# Allegro board pc053c_toplevel_50gloss.brd (continued)
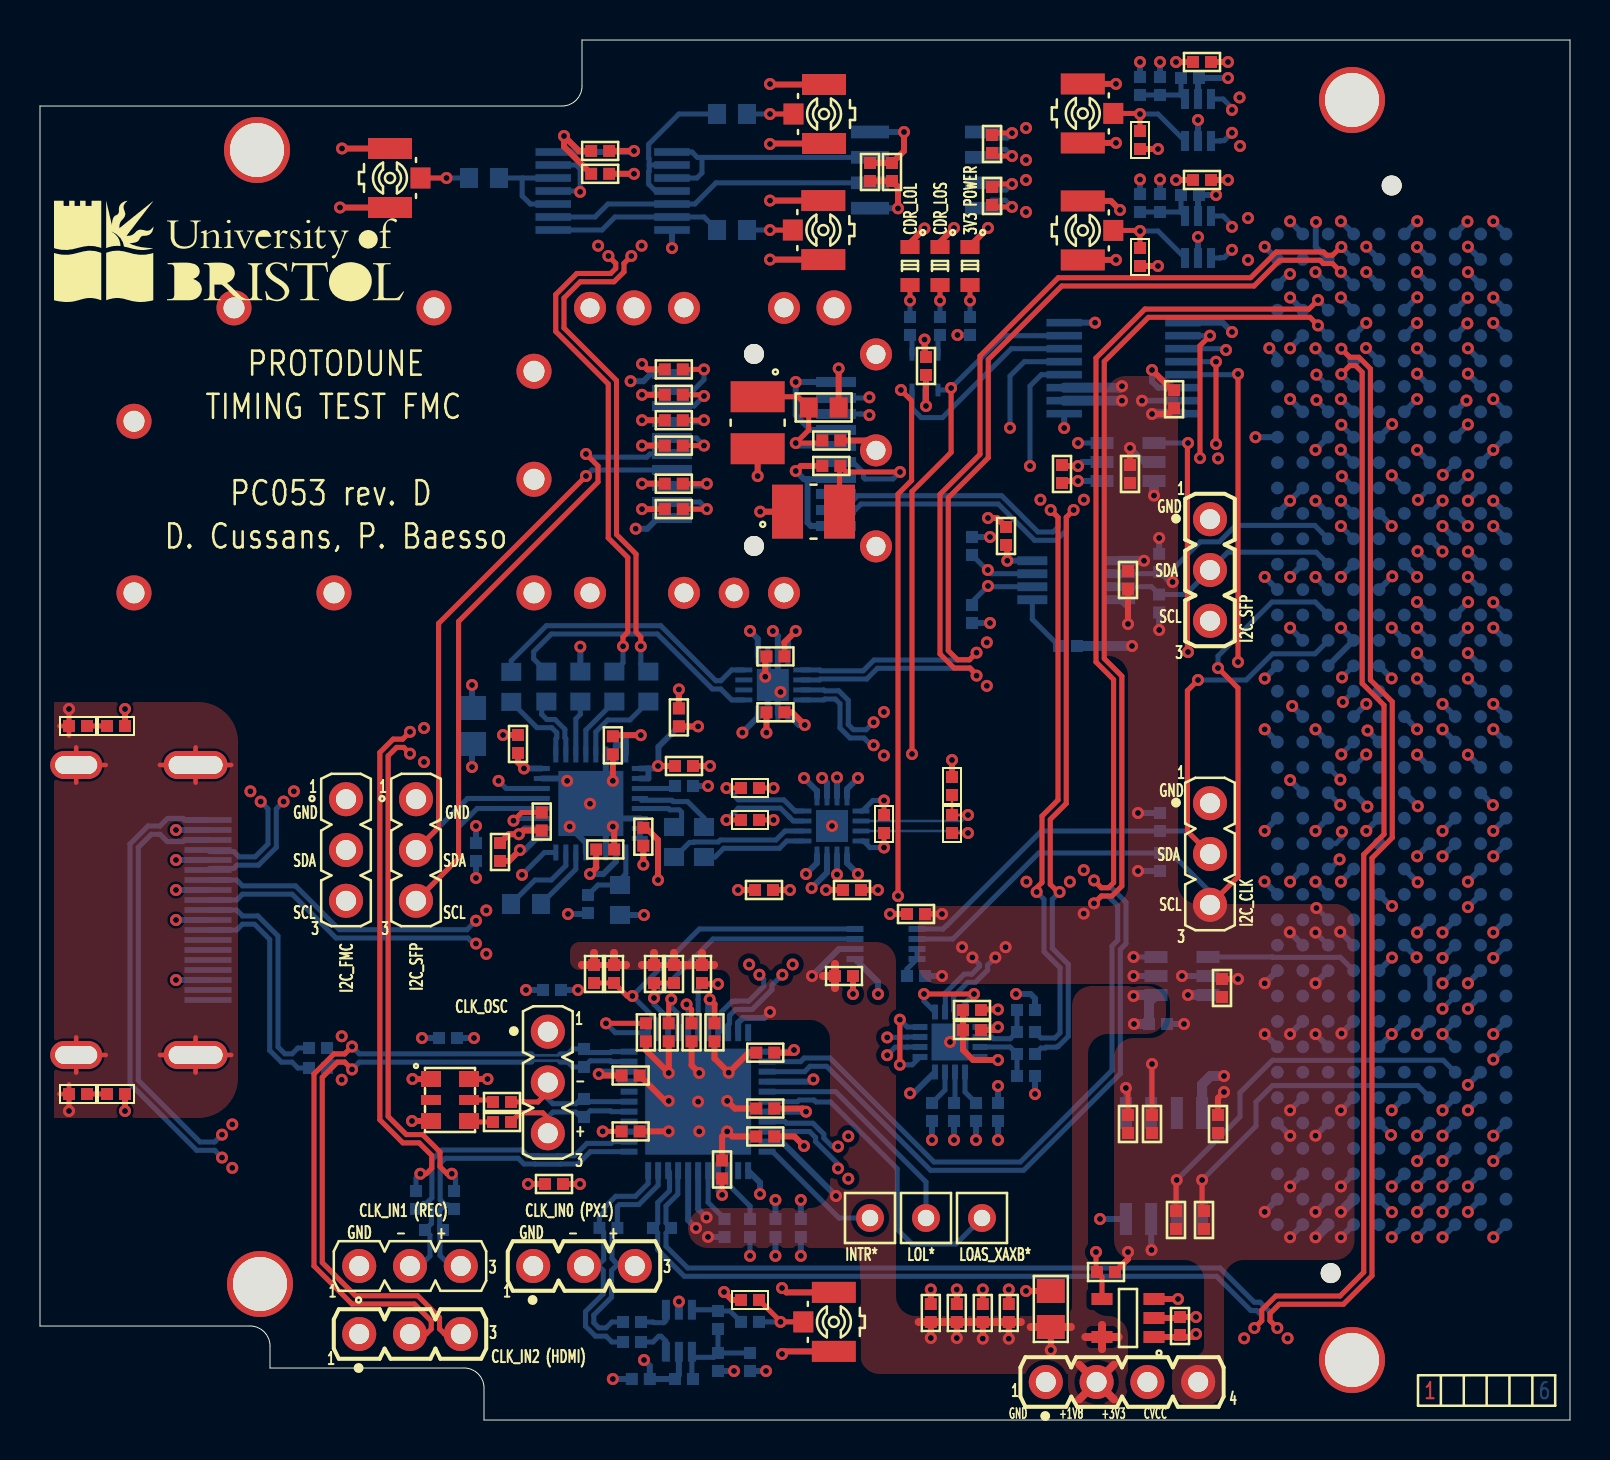
[diagram p0: board, top side]
## Routing (per net, layer and track width the routed paths; a pad name or vN(x,y) marks a point on that pad's centre or on a via; arc(x,y) is an arc through that point) (continued)
P3V3: length 120.8
  TOP w0.3: v1(30.1,52.8) 30.37,52.53 R22.1 ; C56.1 v1(59.4,62) ; C58.2 C57.2 43.2,63.45 v1(43.2,64.4) ; REG1.3 v1(56.9,6.05) ; v1(22.38,17.05) QZ1.6 ; C34.2 v1(32.9,34.68) ; v1(44.23,54.02) 44.23,53.22 C15.2 ; v1(37.7,18.5) 37.57,18.37 C46.2 ; v1(27.94,17.3) 28.01,17.22 C31.2 ; C30.2 23.44,29.29 v1(23.94,29.29) 24.13,29.47 R57.2 ; C49.2 33.72,20.8 v1(33.48,21.03) ; R25.2 v1(30.1,48.72) ; C107.2 48.36,43.69 v1(48.36,42.96) ; C72.2 37.6,35.38 v1(38.24,34.75) ; C66.2 51.2,46.95 v1(51.9,46.95) ; v1(38.2,13.7) 37.72,14.18 C45.2 ; R23.1 v1(30.1,51.26) ; C7.2 47.08,20.53 v1(47.9,20.53) ; C29.2 v1(30.17,27.77) ; C55.1 v1(59.4,67.9) ; R28.1 v1(30.1,46.81) ; R24.2 v1(30.1,49.99) ; v1(47.9,19.64) 47.76,19.5 C8.2 ; C73.2 v1(45.6,33) ; C36.2 27.81,27.61 v1(27.5,27.3) ; R29.1 v1(30.1,45.55) ; C70.2 v1(41.9,26.5) ; C33.2 28.7,34.24 v1(30.04,34.24) ; 57,4.15 REG1.1 ; 57,4.15 57.65,4.15 v1(57.8,4.3) ; 57,4.15 C9.2 ; C69.2 v1(37.5,26.5) ; v1(29.7,63.45) C59.2 ; C40.2 v1(30.9,32.7) ; L2.1 v1(36.01,45.42) ; C37.2 23.9,32.88 v1(24.2,32.58) ; C48.2 v1(27,11.8) ; v1(37.79,39.45) 37.22,38.88 C71.2 ; C32.2 38.14,15.57 v1(38.3,15.42) ; QZ1.1 v1(18.62,17.05) ; L1.2 v1(35.88,47.2) ; C60.2 v1(29.7,62.31)
  L5_PWR w0.4: 54.34,1.9 J11.3 ; J11.3 56.4,1.9 ; J11.3 55.37,0.87 ; J11.3 55.37,2.93
  BOTTOM w0.3: C4.1 v1(21.8,29.7) ; v1(44.23,54.02) 44.25,54 IC18.5 ; 35.41,12.47 36,11.87 v1(36,11.3) ; v1(35.12,34.37) 35.89,35.14 IC17.16 ; IC12.32 29.29,33.74 ; 29.29,33.74 28.79,33.74 IC12.31 ; 29.29,33.74 29.29,34.24 v1(30.04,34.24) ; IC7.5 57.9,61.2 R37.2 v1(58.8,61.25) ; IC12.12 27.79,27.59 v1(27.5,27.3) 28.17,27.3 28.79,27.92 IC12.10 ; v1(47.9,19.64) 47.01,19.64 IC3.9 ; v1(33.48,21.03) 33.41,20.96 IC4.18 ; 30.42,32.58 30.92,32.58 30.92,33.66 C34.2 v1(32.9,34.68) ; 30.42,32.58 30.42,32.08 IC12.2 ; 30.42,32.58 IC12.1 ; 29.02,17.42 28.06,17.42 v1(27.94,17.3) ; 29.02,17.42 IC4.9 ; 29.02,17.42 29.02,16.92 IC4.8 ; C10.2 v1(36.77,11) ; R4.2 v1(45.7,14) ; v1(51.9,46.95) IC14.1 ; R56.2 v1(45.87,54.25) ; IC17.5 35.89,39.06 v1(35.5,39.45) ; IC3.16 43.68,16.34 v1(43.5,16.34) ; IC12.18 24.23,29.58 v1(23.94,29.29) ; v1(47.5,44.15) R411.1 ; IC10.1 v1(51.21,49.6) ; v1(38.3,27.3) 38.85,27.85 IC13.8 ; P1.D40 v1(68.85,9.13) ; IC13.16 40.35,31.55 v1(40.9,32.1) ; IC6.5 57.9,67.05 R35.2 v1(59.4,67.1) ; IC12.24 v1(24.2,32.58) ; IC4.23 37.62,18.42 v1(37.7,18.5) ; IC17.8 37.39,39.05 v1(37.79,39.45) ; IC15.8 v1(48.36,42.96) ; IC13.5 40.35,27.85 v1(40.9,27.3) ; C6.1 v1(24.3,21.5) ; v1(47.5,39.85) R140.1 ; v1(38.24,34.75) 37.94,34.75 IC17.13 ; IC5.5 31.94,2.25 R32.2 C54.1 30.49,2.71 v1(30.2,3) ; v1(38.67,17.03) 38.55,16.92 IC4.26 ; P1.D36 v1(68.85,14.21) ; C3.1 v1(21.7,19.1) ; IC8.8 v1(43.2,64.4) ; IC13.13 38.85,31.45 v1(38.2,32.1) ; IC9.14 29.65,63.4 v1(29.7,63.45) ; C47.2 v1(38.04,11) ; v1(38.3,15.42) IC4.29 ; C35.2 v1(21.6,32.65) ; P1.D38 v1(68.85,11.68) ; C5.1 v1(47.9,16.7) ; P1.C39 v1(70.12,10.41)
P12V: length 5
  L4_SIGN w0.3: v1(70.12,12.95) 70.93,13.75 70.93,14.68 v1(70.12,15.48)
  BOTTOM w0.3: P1.C37 v1(70.12,12.95) ; P1.C35 v1(70.12,15.48)
CDR_LOL: length 58.3
  TOP w0.254: v1(43.05,51.5) 43.58,50.97 43.58,46.98 42.9,46.3 v1(42.9,26.2)
  L3_SIGN w0.254: v1(42.9,26.2) 42.61,25.91 25.45,25.91 v1(24.1,27.26)
  BOTTOM w0.254: v1(24.1,27.26) 25.22,28.38 IC12.16 ; v1(43.05,51.5) 43.46,51.09 43.6,51.09 ; 43.6,51.09 43.6,50.58 44.06,50.12 45.12,50.12 48.56,53.56 IC10.6 ; 43.6,51.09 IC18.3
CDR_LOS: length 51.2
  TOP w0.254: v1(45.55,51.6) 45.55,48.38 43.6,46.43 v1(43.6,33.3)
  L3_SIGN w0.254: v1(22.93,31.96) 23.58,31.3 26.52,31.3 26.82,31.6 28,31.6 28.58,31.02 35.22,31.02 36.9,32.7 41.1,32.7 41.15,32.65 42.95,32.65 v1(43.6,33.3)
  BOTTOM w0.254: IC12.22 23.31,31.58 v1(22.93,31.96) ; 51.21,54.22 48.17,54.22 v1(45.55,51.6) 45.45,51.5 IC18.1
CLK_IN0_N: length 13
  BOTTOM w0.254: J9.2 27.23,7.73 27.91,7.73 ; C26.2 28.6,3.9 28.3,4.19 27.77,4.19 27.28,4.69 27.28,5.42 28.16,6.31 28.16,7.48 27.91,7.73 ; 27.91,7.73 27.91,7.74 28.19,8.02 28.19,9.39 R9.2 27.97,10.17 28.21,10.41 28.21,10.61 28.79,11.19 29.77,11.19 30.41,11.82 30.41,12.47
CLK_IN0_P: length 12.3
  BOTTOM w0.254: 30.91,12.47 30.91,11.74 29.94,10.77 28.97,10.77 28.87,10.67 28.87,9.6 28.6,9.34 28.6,8.06 28.71,7.95 28.71,7.94 28.83,7.82 28.83,7.73 ; 28.83,7.73 29.71,7.73 J9.3 ; 28.83,7.73 28.58,7.48 28.58,6.14 27.69,5.25 27.69,4.86 27.94,4.61 28.3,4.61 28.6,4.9 C23.2
CLK_IN1_N: length 17.6
  BOTTOM w0.254: J3.2 18.53,7.73 19.03,7.73 19.5,8.2 19.5,9.25 R11.1 19.57,9.82 19.57,9.87 19.57,9.87 19.57,10.58 19.32,10.83 ; C27.2 18.9,10.55 19.18,10.83 19.32,10.83 ; IC4.2 28.64,13.92 28.56,13.83 27.35,13.83 26.73,13.21 25.87,13.21 25.86,13.21 24.92,13.21 24.92,13.21 24.37,13.21 24.09,13.5 20.09,13.5 19.6,13 19.6,11.11 19.32,10.83
CLK_IN1_P: length 16.7
  BOTTOM w0.254: 20.24,10.75 19.99,10.5 19.99,9.66 R11.2 20,9.35 20,8.23 20.5,7.73 21.01,7.73 J3.3 ; 20.24,10.75 20.41,10.75 20.61,10.55 C24.2 ; 20.24,10.75 20.24,10.78 20.01,11.01 20.01,12.83 20.26,13.09 23.91,13.09 24.2,12.8 24.74,12.8 24.75,12.79 26.03,12.79 26.04,12.8 26.9,12.8 27.52,13.42 IC4.1
CLK_IN2_N: length 36.4
  TOP w0.254: v1(15.6,18.67) 15.23,18.31 14.7,18.31 13.7,17.3 13.7,7.7 15.6,5.8 18.71,5.8 19.56,4.95 19.56,4.55 19.31,4.3 J1.2
  BOTTOM w0.14: 24.58,18.31 24.62,18.31 24.69,18.23 25.89,18.23 25.96,18.31 26,18.31
  BOTTOM w0.254: 26,18.31 26.39,18.31 26.63,18.55 R8.2 27.38,18.37 28.52,18.37 28.57,18.42 IC4.11 ; C28.2 14.64,18.31 15.23,18.31 v1(15.6,18.67) 15.97,18.31 24.58,18.31
CLK_IN2_P: length 35.8
  TOP w0.254: v1(15.6,17.53) 15.23,17.89 14.87,17.89 14.11,17.13 14.11,7.87 15.77,6.21 18.89,6.21 19.98,5.12 19.98,4.55 20.23,4.3 J1.3
  BOTTOM w0.14: 26,17.89 25.96,17.89 25.89,17.96 24.69,17.96 24.62,17.89 24.58,17.89
  BOTTOM w0.254: IC4.10 28.57,17.92 28.52,17.96 27.51,17.96 R8.1 26.63,17.65 26.39,17.89 26,17.89 ; C22.2 14.64,17.89 15.23,17.89 v1(15.6,17.53) 15.97,17.89 24.58,17.89
CLK_RST: length 27.8
  TOP w0.254: R16.1 33.15,21.8 v1(33.9,21.8)
  L3_SIGN w0.254: v1(33.9,21.8) 33.9,22.43 35.07,23.6 45,23.6 46.1,22.5 54.02,22.5 v1(54.67,23.15)
  BOTTOM w0.25: IC16.3 v1(54.67,23.15)
  BOTTOM w0.254: v1(33.9,21.8) 33.16,21.8 32.9,21.55 32.9,21.02 32.9,20.05 32.91,20.05 IC4.17
CLK_SCL: length 15
  TOP w0.254: R14.1 R41.2 v1(30.7,21.1)
  BOTTOM w0.254: IC1.3 33.65,24.05 v1(30.7,21.1) 30.7,20.79 31.41,20.08 IC4.14
CLK_SDA: length 17.1
  TOP w0.254: v1(29.62,21.2) 29.35,21.2 R15.1 R40.2
  BOTTOM w0.254: IC1.4 32.97,24.55 v1(29.62,21.2) 30.91,19.91 IC4.13
CTRLVCC: length 0.9
  BOTTOM w0.3: P1.D32 v1(68.85,19.3)
CVCC: length 24.3
  TOP w0.3: C61.2 56.41,50.3 v1(55.6,50.3) ; C17.2 v1(45.1,25.3)
  BOTTOM w0.3: R43.2 v1(54.9,27.45) ; R143.2 v1(55.96,44.1) ; R142.2 v1(55.96,39.5) ; R242.2 v1(54.9,30.35) ; v1(45.1,22.2) R1.2
  BOTTOM w0.5: v1(55.7,46.22) IC14.6 ; P1.H40 v1(63.77,9.13) ; v1(55.6,50.3) 55.61,50.31 IC10.16 ; v1(54.6,38.7) R42.2 ; 51.21,51.62 54.02,51.62 v1(54.1,51.69) ; IC10.2 v1(54.1,50.97) ; v1(59.2,17.2) 58.52,17.2 58.1,16.78 IC2.8 ; IC15.1 v1(55.2,42.96) ; P1.G39 v1(65.04,10.41) ; v1(57.4,21.25) IC16.6
F_CDR_CLK_N: length 4
  BOTTOM w0.254: IC12.25 25.79,34.06 25.84,34.11 25.84,34.36 25.58,34.62 24.85,34.62 R55.1
F_CDR_CLK_P: length 3.5
  BOTTOM w0.254: IC12.26 26.29,34.06 26.24,34.11 26.24,34.53 25.75,35.02 25.34,35.02 25.09,35.28 25.09,35.69 R54.1
F_CDR_D_N: length 64.7
  TOP w0.254: v1(28.42,58.2) 28.79,57.83 28.79,57.58 28.53,57.33 26.84,57.33 25.79,56.27 25.79,54.43 28.41,51.8 28.41,44.1 29.39,43.13 29.39,39.39 29.15,39.15 v1(29.15,38.69)
  L3_SIGN w0.2: v1(28.42,58.2) 28.77,57.85 28.77,57.38 29.23,56.92 30.87,56.92 30.9,56.95 52.9,56.95 58.58,51.26 61.5,51.26 61.84,51.6 62.73,51.6 62.92,51.41 63.41,51.41 v1(63.82,51)
  BOTTOM w0.254: R53.2 29.15,37.86 v1(29.15,38.69) ; P1.H8 v1(63.82,51)
F_CDR_D_P: length 64
  TOP w0.254: v1(30.04,38.69) 30.04,39.15 29.8,39.39 29.8,43.3 28.83,44.27 28.83,51.97 26.2,54.6 26.2,56.1 27.01,56.91 28.7,56.91 29.2,57.41 29.2,57.83 v1(29.57,58.2)
  L3_SIGN w0.2: v1(29.57,58.2) 29.22,57.85 29.22,57.57 29.42,57.37 30.68,57.37 30.71,57.4 53.08,57.4 58.77,51.71 61.31,51.71 61.65,52.05 62.92,52.05 63.11,51.86 63.41,51.86 v1(63.82,52.27)
  BOTTOM w0.254: R52.2 30.04,37.8 v1(30.04,38.69) ; P1.H7 v1(63.82,52.27)
F_FMC_CLK_N: length 91.8
  TOP w0.254: v1(60.72,4.6) 61.09,4.97 61.09,5.5 61.79,6.2 65,6.2 66.19,7.39 66.19,28.27 67.2,29.29 67.2,35.74 66.11,36.83 66.11,52.39 65.77,52.72 65.49,52.72 v1(65.07,52.29)
  BOTTOM w0.254: v1(60.72,4.6) 61.09,4.97 61.09,5.22 60.83,5.47 60.54,5.47 58.83,7.19 32.21,7.19 30.89,8.51 30.89,9.36 R18.1 30.89,9.84 30.89,10.87 31.48,11.46 31.48,12.4 31.41,12.47 ; P1.G7 v1(65.07,52.29)
F_FMC_CLK_P: length 92.5
  TOP w0.254: v1(65.07,53.56) 65.49,53.14 65.95,53.14 66.52,52.56 66.52,37 67.61,35.91 67.61,29.11 66.6,28.1 66.6,7.21 65.17,5.79 61.96,5.79 61.5,5.33 61.5,4.97 v1(61.87,4.6)
  BOTTOM w0.254: v1(61.87,4.6) 61.5,4.97 61.5,5.39 61,5.89 60.71,5.89 59,7.6 32.39,7.6 31.3,8.69 31.3,9.35 R18.2 31.3,9.85 31.3,10.7 31.89,11.29 31.89,12.45 31.91,12.47 ; P1.G6 v1(65.07,53.56)
F_GPIO_OUT0_N: length 27.7
  TOP w0.254: R45.1 47.65,60.75 47.75,60.65 v1(48.6,60.65)
  L4_SIGN w0.2: v1(65.04,48.52) 64.65,48.92 64.18,48.93 63.77,49.35 62.35,49.35 60.43,51.27 60.43,54.93 55.09,60.27 54.74,60.27 54.53,60.48 54.53,60.72 54.22,61.03 53.78,61.03 53.75,61 48.95,61 v1(48.6,60.65)
  BOTTOM w0.254: v1(65.04,48.52) 65.04,48.51 P1.G10 ; v1(48.6,60.65) 48.26,60.99 47.6,60.99 IC8.4
F_GPIO_OUT0_P: length 27.2
  TOP w0.254: v1(48.6,61.8) 47.75,61.8 R45.2
  L4_SIGN w0.2: v1(48.6,61.8) 48.95,61.45 53.57,61.45 53.59,61.48 54.41,61.48 55.16,60.72 55.28,60.72 60.88,55.12 60.88,51.46 62.54,49.8 63.96,49.8 63.99,49.76 v1(65.07,49.76)
  BOTTOM w0.254: IC8.3 47.56,61.5 48.3,61.5 v1(48.6,61.8) ; P1.G9 65.07,49.75 v1(65.07,49.76)
F_GPIO_OUT1_N: length 68.8
  TOP w0.254: v1(48.6,64.35) 47.7,64.35 R46.1
  L4_SIGN w0.2: v1(48.6,64.35) 48.95,64 50.5,64 51.37,63.13 55.57,63.13 55.68,63.02 56.12,63.02 56.23,63.13 72.07,63.13 74.62,60.58 74.62,33.82 72.02,31.22 65.47,31.22 v1(65.01,30.76)
  BOTTOM w0.254: IC8.1 47.5,64.1 48.35,64.1 v1(48.6,64.35) ; P1.H23 v1(65.01,30.76)
F_GPIO_OUT1_P: length 67.4
  TOP w0.254: R46.2 47.75,63.2 v1(48.6,63.2)
  L4_SIGN w0.2: v1(48.6,63.2) 48.95,63.55 50.31,63.55 51.18,62.68 55.38,62.68 55.49,62.57 56.31,62.57 56.42,62.68 71.88,62.68 74.16,60.39 74.16,34.01 71.83,31.67 65.37,31.67 v1(65.02,32.02)
  BOTTOM w0.254: v1(48.6,63.2) 48.27,63.53 47.6,63.53 IC8.2 ; P1.H22 v1(65.02,32.02)
F_MCX_CLK_N: length 2
  BOTTOM w0.254: IC5.6 31.29,3.95 31.05,4.19 30.94,4.19 30.65,3.9 C26.1
F_MCX_CLK_P: length 1.8
  BOTTOM w0.254: C23.1 30.65,4.9 30.68,4.87 31.19,4.87 31.29,4.97 IC5.1
F_RJ45_CLK_N: length 11.4
  BOTTOM w0.254: C28.1 12.9,18.6 12.6,18.31 12.24,18.31 11.9,18.65 11.9,24.2 10.9,25.2 10.13,25.2 9.83,25.5 J7.10
F_RJ45_CLK_P: length 11.4
  BOTTOM w0.254: J7.12 9.83,24.5 10.12,24.79 10.73,24.79 11.49,24.03 11.49,18.48 12.07,17.89 12.6,17.89 12.9,17.6 C22.1
F_RJ45_D_N: length 64.4
  L3_SIGN w0.2: v1(12.18,30.92) 11.83,31.27 11.83,33.13 13.93,35.23 19.15,35.23 19.17,35.25 19.63,35.25 19.65,35.23 37.73,35.23 38.45,35.95 45.45,35.95 45.7,35.7 46.93,35.7 61.54,35.7 62.13,36.29 64.71,36.29 65.1,35.9 v1(65.14,35.9)
  BOTTOM w0.254: J7.6 8.47,27.57 8.58,27.57 8.59,27.58 9.69,27.58 9.85,27.74 10.93,27.74 11.81,28.63 11.81,30.55 v1(12.18,30.92) ; P1.G19 v1(65.14,35.9)
F_RJ45_D_P: length 64.6
  L3_SIGN w0.2: v1(65.1,37.13) 64.71,36.74 61.94,36.74 61.35,36.15 47.57,36.15 45.89,36.15 45.64,36.41 38.26,36.41 37.54,35.69 19.84,35.69 19.82,35.71 18.98,35.71 18.96,35.69 13.74,35.69 11.38,33.32 11.38,31.27 v1(11.03,30.92)
  BOTTOM w0.254: J7.4 8.47,28.43 8.58,28.43 8.59,28.42 9.69,28.42 9.95,28.16 10.76,28.16 11.4,28.8 11.4,30.55 v1(11.03,30.92) ; P1.G18 v1(65.1,37.13)
F_SFP_N: length 29.9
  TOP w0.254: R60.1 v1(42.2,28.62)
  L4_SIGN w0.2: v1(41.47,51.13) 41.92,51.13 42.14,50.92 43.03,50.92 44.65,49.29 44.65,30.75 43.45,29.55 42.4,29.55 42.2,29.35 v1(42.2,28.62)
  BOTTOM w0.254: J4.12 41.44,51.1 v1(41.47,51.13) ; IC13.4 41.17,28.95 41.5,28.62 v1(42.2,28.62)
F_SFP_P: length 28.5
  TOP w0.254: R60.2 v1(42.2,30.98)
  L4_SIGN w0.2: v1(42.2,30.98) 42.2,30.31 42.51,30 43.26,30 44.2,30.94 44.2,49.1 42.84,50.46 42.14,50.46 41.92,50.24 v1(41.47,50.24)
  BOTTOM w0.254: J4.13 41.04,50.3 41.41,50.3 v1(41.47,50.24) ; v1(42.2,30.98) 41.65,30.98 41.12,30.45 IC13.1
FMC_GA0: length 20.9
  TOP w0.254: v1(56.83,12) 56.8,11.96 R138.1
  BOTTOM w0.254: P1.C34 70.16,17.99 61.62,17.99 60,16.37 60,15.16 v1(56.83,12) IC2.2
FMC_GA1: length 17.8
  TOP w0.254: v1(58.1,12) 58.1,10.54 R1328.1
  BOTTOM w0.254: P1.D35 68.89,16.72 61.62,16.72 60.8,15.9 60.8,14.7 v1(58.1,12) IC2.1
FMC_LA07_N: length 11.7
  BOTTOM w0.254: P1.H14 63.81,43.39 59.39,43.39 J10.2 57.28,41.28 R142.1 55.57,41.66 IC15.3
FMC_LA07_P: length 15.2
  L4_SIGN w0.254: v1(56.63,41.9) 56.63,41.83 J10.3
  BOTTOM w0.254: P1.H13 63.74,44.73 59.79,44.73 58.97,43.91 58.01,43.91 56.63,42.53 v1(56.63,41.9) 56.47,41.9 R143.1 55.86,42.31 IC15.2
FMC_LA11_N: length 33.9
  TOP w0.254: v1(57.9,37) 57.37,36.47 57.37,29.43 J8.2
  BOTTOM w0.254: P1.H17 64.41,38.97 63.75,38.31 61.62,38.31 60.31,37 v1(57.9,37) ; IC1.5 45.15,24.55 45.32,24.72 45.34,24.72 50.07,29.45 R242.1 57.35,29.45 J8.2
FMC_LA11_P: length 38.2
  TOP w0.254: v1(58.9,37.6) 59.9,36.6 59.9,27.16 J8.3
  BOTTOM w0.254: J8.3 58.5,26.4 56.55,28.35 R43.1 49.94,28.35 45.64,24.05 IC1.6 ; v1(58.9,37.6) 58.9,38.2 61.6,40.9 63.76,40.9 P1.H16
FMC_SCL: length 67.5
  TOP w0.254: v1(55.6,17.8) R103.1
  L3_SIGN w0.254: v1(70.12,21.84) 69.49,21.2 61,21.2 57.6,17.8 v1(55.6,17.8) 52.72,17.8 50.62,15.7 42.9,15.7 39.1,19.5 29.9,19.5 28.6,20.8 20.46,20.8 J6.3
  BOTTOM w0.254: IC2.6 55.56,17.77 v1(55.6,17.8) ; P1.C30 v1(70.12,21.84)
FMC_SDA: length 71.5
  TOP w0.254: v1(54.29,16.6) 54.4,16.49 R39.1
  L3_SIGN w0.254: v1(70.12,20.57) 61.66,20.57 57.7,16.6 v1(54.29,16.6) 52.69,15 39.88,15 36.68,18.2 19.1,18.2 13.6,23.7 13.6,26.8 J6.2
  BOTTOM w0.254: v1(54.29,16.6) IC2.5 ; P1.C31 v1(70.12,20.57)
FPGA_CDR_LOL: length 15.8
  L3_SIGN w0.254: v1(65.04,45.97) 64.92,45.97 63.99,46.9 60.08,46.9 v1(58.9,48.08)
  L4_SIGN w0.254: v1(59.3,53.5) 59.35,53.45 59.35,52.54 59.35,52.53 59.35,52.07 59.49,51.92 59.49,48.67 v1(58.9,48.08)
  BOTTOM w0.254: v1(59.3,53.5) 59.23,53.56 IC10.11 ; P1.G12 v1(65.04,45.97)
FPGA_CDR_LOS: length 17
  TOP w0.254: v1(58,48.1) 58,53.72 v1(58.5,54.22)
  L3_SIGN w0.254: v1(58,48.1) 61.4,44.7 v1(65.04,44.7)
  BOTTOM w0.254: P1.G13 v1(65.04,44.7) ; v1(58.5,54.22) 57.15,54.22
FPGA_CLK_RST: length 7.6
  BOTTOM w0.254: IC16.4 61.61,23.15 61.62,23.14 65.01,23.14 P1.G30
FPGA_SFP_LOS: length 19.3
  TOP w0.254: v1(58.8,48.8) v1(58.8,52.91)
  L3_SIGN w0.254: v1(68.88,43.44) 68.02,43.44 67.01,44.46 67.01,45.05 65.45,46.61 64.85,46.61 63.66,47.8 61,47.8 60,48.8 v1(58.8,48.8)
  BOTTOM w0.254: P1.D14 69.49,42.82 v1(68.88,43.44) ; IC10.12 v1(58.8,52.91)
FPGA_SFP_TX_DIS: length 25
  TOP w0.254: v1(57.4,48.85) 57.37,48.82 57.37,38.43 v1(57.4,38.4)
  L3_SIGN w0.254: v1(57.4,38.4) 58.54,38.4 59.02,38.88 68.12,38.88 v1(68.85,39.62)
  BOTTOM w0.254: v1(57.4,48.85) IC14.4 ; P1.D17 v1(68.85,39.62)
FPGA_SFP_TX_FLT: length 27.2
  TOP w0.254: v1(59.9,52.3) v1(59.9,37.9)
  L3_SIGN w0.254: v1(59.9,37.9) 60.34,38.34 v1(68.85,38.34)
  BOTTOM w0.254: P1.D18 v1(68.85,38.34) ; v1(59.9,52.3) 59.86,52.27 IC10.13
GPIO_IN0_N: length 29.6
  L3_SIGN w0.2: v1(71.41,47.24) 71.01,47.65 71.01,48.13 70.73,48.41 70.73,61.47 68.1,64.1 64.81,64.1 63.75,65.16 59.94,65.16 v1(59.6,65.5)
  BOTTOM w0.254: IC6.6 59.15,66.05 59.6,65.6 v1(59.6,65.5) ; v1(71.41,47.24) 71.4,47.24 P1.C11
GPIO_IN0_P: length 28.6
  L3_SIGN w0.2: v1(70.14,47.26) 70.55,47.66 70.55,47.94 70.28,48.22 70.28,61.28 67.91,63.64 64.62,63.64 63.56,64.7 59.94,64.7 v1(59.6,64.36)
  BOTTOM w0.254: IC6.1 59,63.95 59.02,63.97 59.21,63.97 v1(59.6,64.36) ; v1(70.14,47.26) 70.15,47.26 P1.C10
GPIO_IN1_N: length 26.5
  L3_SIGN w0.2: v1(59.6,59.65) 59.94,59.31 60.46,59.31 62.09,60.94 66.06,60.94 67.85,59.15 67.85,51.19 68.7,50.34 68.7,49.13 68.3,48.73 68.3,48.28 68.63,47.95 68.66,47.95 69.75,46.86 69.75,46.35 v1(70.13,45.97)
  BOTTOM w0.254: v1(59.6,59.65) 59.6,59.75 59.15,60.2 IC7.6 ; v1(70.13,45.97) P1.D12
GPIO_IN1_P: length 25.6
  L3_SIGN w0.2: v1(59.6,58.51) 59.94,58.85 60.64,58.85 62.28,60.49 65.87,60.49 67.4,58.96 67.4,51 68.25,50.15 68.25,49.32 67.85,48.92 67.85,48.09 68.44,47.5 68.47,47.5 69.3,46.68 69.3,46.41 v1(68.89,46.01)
  BOTTOM w0.254: v1(68.89,46.01) P1.D11 ; v1(59.6,58.51) 59.21,58.12 59.02,58.12 59,58.1 IC7.1
IN_N: length 4.1
  BOTTOM w0.254: IC12.4 30.08,30.99 31.59,30.99 31.66,30.92 32.38,30.92 33.2,30.1 C44.2
IN_P: length 3.1
  BOTTOM w0.254: IC12.5 29.99,30.57 31.42,30.57 31.49,30.51 31.96,30.51 32.08,30.39 32.08,30.03 C43.2
IN_SEL0: length 2.3
  TOP w0.254: R17.2 v1(28.13,14.43)
  BOTTOM w0.254: v1(28.13,14.43) 29.44,14.43 IC4.3
IN_SEL1: length 2.1
  TOP w0.254: R19.2 v1(34.1,11.26)
  BOTTOM w0.254: v1(34.1,11.26) 33.91,11.45 33.91,12.47
Net_87:
  vias: v1(45.5,18.9)
OSC_CLK_N: length 7.7
  TOP w0.254: C25.2 24.89,15.9 25.39,16.4 J2.2
  BOTTOM w0.254: J2.2 25.39,16.07 25.64,15.81 26.8,15.81 27.03,16.05 R7.2 27.33,15.92 IC4.6
OSC_CLK_P: length 8.1
  TOP w0.254: C21.2 24.01,15.36 25.14,15.36 25.39,15.1 J2.3
  BOTTOM w0.254: J2.3 25.39,15.14 25.65,15.4 26.79,15.4 27.03,15.15 R7.1 27.51,15.46 28.52,15.46 28.57,15.42 IC4.5
REC_CLK_N: length 55.2
  TOP w0.254: v1(18.5,34.41) 18.13,34.04 17.66,34.04 16.99,33.38 16.99,15.01 18.14,13.86 18.96,13.86 19.59,13.23 19.59,12.59 19.31,12.31 v1(19.02,12.31)
  L3_SIGN w0.2: v1(18.5,34.41) 18.61,34.41 18.97,34.05 19.35,34.05 19.46,33.94 21.4,33.94 21.64,33.71 22.91,33.71 22.93,33.69 30.27,33.69 30.28,33.71 38.81,33.71 39.64,34.54 41.44,34.54 41.68,34.78 v1(41.68,34.89)
  BOTTOM w0.254: IC17.11 39.19,36.5 39.23,36.46 39.94,36.46 40.41,35.99 40.41,34.77 40.67,34.51 41.31,34.51 v1(41.68,34.89) ; v1(19.02,12.31) 18.8,12.1 C27.1
REC_CLK_P: length 54.3
  TOP w0.254: v1(20.59,12.31) 20.35,12.31 20,12.67 20,13.4 19.13,14.27 18.31,14.27 17.41,15.18 17.41,33.21 17.83,33.63 18.19,33.63 v1(18.5,33.32)
  L3_SIGN w0.2: v1(18.5,33.32) 18.82,33.32 18.99,33.49 21.21,33.49 21.45,33.25 22.73,33.25 22.74,33.24 30.46,33.24 30.47,33.25 38.99,33.25 39.83,34.09 41.21,34.09 41.56,33.74 v1(41.68,33.74)
  BOTTOM w0.254: IC17.12 39.19,36 39.23,36.05 39.77,36.05 40,35.82 40,34.6 40.5,34.1 41.2,34.1 41.56,33.74 v1(41.68,33.74) ; v1(20.59,12.31) 20.78,12.12 20.78,11.53 C24.1
S_CLK_IN: length 3.8
  TOP w0.254: R27.2 37.02,4.92 v1(37.02,4.91) PX1.1
  BOTTOM w0.254: v1(37.02,4.91) C50.1
S_GPIO_IN0: length 5
  TOP w0.25: R30.2 v1(55,65.3) 54.97,65.33 PX2.1
  BOTTOM w0.25: v1(55,65.3) 55.9,65.3 IC6.3
S_GPIO_IN1: length 5
  TOP w0.25: PX3.1 54.97,59.48 v1(55,59.45) R31.2
  BOTTOM w0.25: IC7.3 55.9,59.45 v1(55,59.45)
SFP_LOS: length 24.4
  TOP w0.254: 32.14,51.26 33.14,51.26 v1(33.2,51.2)
  L3_SIGN w0.254: v1(48.5,49.61) 34.79,49.61 v1(33.2,51.2)
  BOTTOM w0.254: IC10.5 49.21,52.91 48.5,52.2 v1(48.5,49.61) ; J4.8 32.7,50.7 v1(33.2,51.2)
SFP_SCL: length 67.7
  TOP w0.254: v1(27.3,48.3) 27.9,47.7 27.9,46.9 20.93,39.93 20.93,28.09 J5.3
  L3_SIGN w0.254: v1(47.39,42.5) 29.8,42.5 28.4,43.9 28.4,47.2 v1(27.3,48.3)
  BOTTOM w0.254: v1(27.3,48.3) 27.46,48.14 30.34,48.14 30.5,48.3 J4.5 ; R411.2 47.35,42.5 v1(47.39,42.5) 47.58,42.31 IC15.7 ; IC12.20 21.86,30.58 20.93,29.65 20.93,28.09 J5.3
SFP_SDA: length 63.4
  TOP w0.254: v1(27.3,47.2) 19.93,39.83 19.93,29.63 J5.2
  L3_SIGN w0.254: v1(47.4,41.7) 45.9,40.2 30.5,40.2 27.3,43.4 v1(27.3,47.2)
  BOTTOM w0.254: J5.2 21.38,31.08 IC12.21 ; IC15.6 47.44,41.66 v1(47.4,41.7) 46.6,40.9 R140.2 ; v1(27.3,47.2) 27.6,47.5 J4.4
SFP_TX_DISABLE: length 23.8
  TOP w0.254: v1(33.34,46.81) 32.14,46.81
  L3_SIGN w0.254: v1(51.9,48.85) 48.75,48.85 46.5,46.6 33.56,46.6 v1(33.34,46.81)
  BOTTOM w0.254: IC14.3 v1(51.9,48.85) ; v1(33.34,46.81) 33.23,46.7 J4.3
SFP_TX_FAULT: length 26.1
  TOP w0.254: 32.14,45.55 v1(33.34,45.55)
  L3_SIGN w0.254: v1(49.5,47.7) 47.8,46 33.8,46 v1(33.34,45.55)
  BOTTOM w0.254: J4.2 32.99,45.9 v1(33.34,45.55) ; v1(49.5,47.7) 49.5,51.7 50.06,52.27 IC10.4
SY5860_IN_N: length 14.3
  BOTTOM w0.254: R55.2 23.56,37.96 25.31,39.71 31.04,39.71 33.79,36.96 34.05,36.96 34.59,37.5 IC17.4
SY5860_IN_P: length 13.5
  BOTTOM w0.254: R54.2 24.68,38.05 24.68,38.41 25.57,39.3 30.87,39.3 33.62,36.55 34.04,36.55 34.59,36 IC17.1
T_CDR_N: length 5.3
  BOTTOM w0.254: C44.1 33.75,28.15 34.19,28.59 36.97,28.59 37.34,28.95 IC13.9
T_CDR_P: length 7
  BOTTOM w0.254: IC13.10 37.25,29.45 36.8,29 34.01,29 33.91,28.9 32.7,28.9 32.68,28.88 32.48,28.88 31.75,28.15 C43.1
T_FFD_CLK_N: length 14.5
  L3_SIGN w0.2: v1(42.36,18.24) 42,18.6 41.1,18.6 39.1,20.6 37.18,20.6 36.73,21.05 36.72,21.05 36.32,21.45 36.32,21.69 36.21,21.8 36.21,22.02 v1(35.97,22.26)
  BOTTOM w0.254: v1(42.36,18.24) 42.76,18.64 43.36,18.64 43.37,18.65 IC3.2 ; v1(35.97,22.26) 36.19,22.05 36.19,21.69 35.44,20.94 34.79,20.94 34.78,20.94 34.61,20.94 34.06,20.39 34.06,19.99 33.98,19.91 33.98,19.44 IC4.19
T_FFD_CLK_P: length 13.6
  L3_SIGN w0.2: v1(37.12,22.26) 36.78,21.92 36.78,21.64 36.91,21.51 36.92,21.51 37.37,21.05 39.29,21.05 41.29,19.05 42.05,19.05 42.13,19.13 v1(42.36,19.13)
  BOTTOM w0.254: v1(42.36,19.13) 42.91,19.13 42.93,19.14 43.36,19.14 43.37,19.15 IC3.3 ; IC4.20 34.39,19.38 34.39,19.74 34.48,19.82 34.48,20.22 34.78,20.52 34.95,20.52 34.96,20.53 35.61,20.53 36.6,21.52 36.6,21.75 v1(37.12,22.26)
T_FFD_D_N: length 33.7
  L4_SIGN w0.2: v1(46.62,23.13) 46.97,23.47 46.97,30.31 50.61,33.95 64.21,33.95 64.66,34.4 65.45,34.4 65.92,33.93 65.92,33.67 v1(66.31,33.28)
  BOTTOM w0.254: v1(66.31,33.28) 65.68,32.65 P1.G22 ; v1(46.62,23.13) 46.97,22.78 46.97,22.67 46.59,22.29 46.21,22.29 45.26,21.35 45.26,20.41 IC3.6
T_FFD_D_P: length 32
  L4_SIGN w0.2: v1(47.77,23.13) 47.42,23.47 47.42,30.12 50.8,33.5 64.4,33.5 64.85,33.95 65.16,33.95 65.26,33.85 65.26,33.47 v1(65.07,33.28)
  BOTTOM w0.254: IC3.7 45.68,20.47 45.68,21.18 46.38,21.88 46.76,21.88 47.38,22.5 47.38,22.74 v1(47.77,23.13) ; P1.G21 65.07,33.29 v1(65.07,33.28)
T_FMC_CLK_N: length 72.1
  TOP w0.254: v1(63.9,54.73) 63.5,55.13 55.42,55.13 53.21,52.93 53.21,38.07 54.09,37.19 54.09,26.7 53.6,26.2 53.07,26.2 v1(52.7,25.83)
  BOTTOM w0.254: P1.H5 v1(63.9,54.73) ; v1(52.7,25.83) 53.07,26.2 53.4,26.2 53.89,25.71 53.89,23.99 53.6,23.7 53.6,17.49 49.01,12.9 44.7,12.9 39.5,18.1 38.21,18.1 38.03,17.92 IC4.24
T_FMC_CLK_P: length 73.5
  TOP w0.254: v1(63.9,56) 63.45,55.55 55.25,55.55 52.8,53.1 52.8,37.9 53.68,37.02 53.68,26.87 53.43,26.61 53.07,26.61 v1(52.7,26.98)
  BOTTOM w0.254: P1.H4 v1(63.9,56) ; IC4.25 38.23,17.42 38.5,17.69 39.33,17.69 44.53,12.49 49.19,12.49 54.01,17.31 54.01,23.53 54.3,23.81 54.3,25.89 53.57,26.61 53.07,26.61 v1(52.7,26.98)
T_FMC_N: length 32.3
  TOP w0.254: R59.2 v1(36.68,30)
  L3_SIGN w0.2: v1(36.68,30) 37.2,30 38,30.8 41.14,30.8 42.16,31.81 57.91,31.81 58.04,31.94 58.96,31.94 59,31.9 59.91,31.9 63.36,28.45 63.41,28.45 63.47,28.39 64.13,28.39 64.19,28.45 64.56,28.45 v1(64.98,28.03)
  BOTTOM w0.254: v1(64.98,28.03) 64.5,27.55 P1.H26
T_FMC_P: length 32.6
  TOP w0.254: R58.2 v1(36.68,31.6)
  L3_SIGN w0.2: v1(65.09,29.42) 64.58,28.9 64,28.9 63.94,28.84 63.66,28.84 63.6,28.9 63.55,28.9 60.1,32.35 59.19,32.35 59.14,32.4 57.86,32.4 57.73,32.27 41.97,32.27 40.95,31.25 37.55,31.25 37.2,31.6 v1(36.68,31.6)
  BOTTOM w0.254: v1(65.09,29.42) 65.09,29.12 64.8,28.82 P1.H25
T_FMC_REC_CLK_N: length 47.1
  TOP w0.254: v1(46.83,38.37) 46.48,38.01 45.87,38.01 45.41,38.47 45.41,46.11 47.41,48.11 47.41,53.03 51.09,56.7 60.7,56.7 61.99,57.99 64,57.99 64.17,57.82 64.63,57.82 v1(65.04,57.41)
  BOTTOM w0.254: P1.G3 65.04,57.4 v1(65.04,57.41) ; IC17.9 38.98,37.5 39.02,37.46 41.16,37.46 41.7,38 46.46,38 v1(46.83,38.37)
T_FMC_REC_CLK_P: length 48.5
  TOP w0.254: v1(46.83,37.22) 46.83,37.27 46.5,37.6 45.7,37.6 45,38.3 45,46.29 47,48.29 47,53.2 50.91,57.11 60.53,57.11 61.81,58.4 64.17,58.4 64.34,58.24 64.63,58.24 65.04,58.65 v1(65.07,58.65)
  BOTTOM w0.254: IC17.10 38.98,37 39.02,37.05 41.33,37.05 41.87,37.59 46.46,37.59 v1(46.83,37.22) ; v1(65.07,58.65) 65.27,58.45 65.28,58.43 P1.G2
T_MCX_CLK: length 75.2
  L4_SIGN w0.254: v1(35.5,8.21) 32.89,8.21 31.4,9.7 24.9,9.7 17.08,17.52 17.08,48.97 27,58.89 v1(27,61.41)
  BOTTOM w0.254: IC9.13 26.8,62.75 27,62.55 v1(27,61.41) 26.96,61.45 IC9.11 ; R26.2 v1(35.5,8.21)
T_RJ45_CLK_N: length 57
  L3_SIGN w0.2: v1(39.9,13.67) 39.58,13.35 38.99,13.35 38.64,13 25.17,13 24.25,13.92 9.45,13.92 v1(9.1,14.27)
  BOTTOM w0.254: v1(39.9,13.67) 39.61,13.67 39.19,14.09 39.19,14.3 38.65,14.84 37.32,14.84 37.25,14.92 IC4.30 ; J7.3 7.22,29 7.15,28.92 6.36,28.92 6,29.29 5.57,29.29 4.91,28.63 4.91,16.99 8,13.9 8.73,13.9 v1(9.1,14.27)
T_RJ45_CLK_P: length 58.7
  L3_SIGN w0.2: v1(39.9,12.58) 39.58,12.9 39.18,12.9 38.83,12.55 24.98,12.55 24.06,13.47 9.45,13.47 v1(9.1,13.12)
  BOTTOM w0.254: IC4.31 37.25,14.42 37.25,14.42 38.48,14.42 38.78,14.12 38.78,13.92 39.9,12.8 v1(39.9,12.58) ; J7.1 7.22,30 7.15,30.08 6.38,30.08 6,29.7 5.4,29.7 4.5,28.8 4.5,16.81 7.83,13.49 8.73,13.49 v1(9.1,13.12)
T_RJ45_D_N: length 58.1
  L3_SIGN w0.2: v1(63.77,24.38) 63.4,24.77 63.39,24.78 62.91,24.78 62.76,24.94 61.44,24.94 60.69,24.19 22.37,24.19 22,23.82 v1(21.8,23.82)
  BOTTOM w0.254: v1(21.8,23.82) 21.68,23.82 21.4,24.1 14.8,24.1 12.61,26.29 10.12,26.29 9.83,26 J7.9 ; P1.H29 v1(63.77,24.38)
T_RJ45_D_P: length 58.1
  L3_SIGN w0.2: v1(63.82,25.6) 63.46,25.24 63.1,25.24 62.95,25.4 61.25,25.4 60.51,24.65 22.12,24.65 v1(21.8,24.97)
  BOTTOM w0.254: J7.7 9.83,27 10.12,26.71 12.78,26.71 14.97,24.51 21.35,24.51 v1(21.8,24.97) ; P1.H28 v1(63.82,25.6)
T_SFP_N: length 43.3
  TOP w0.254: v1(50.98,26.4) 50.89,26.4 50.51,26.78 50.51,30.03 51.31,30.83 51.31,45.13 v1(51.68,45.5)
  BOTTOM w0.254: v1(50.98,26.4) 50.61,26.03 50.61,23.59 51.41,22.79 51.41,19.18 50.92,18.69 50.88,18.69 50.83,18.64 50.3,18.64 50.26,18.6 50.05,18.6 C2.2 ; v1(51.68,45.5) 51.31,45.13 51.31,44.48 50.82,43.99 49.73,43.99 47.91,45.8 41.05,45.8 40.75,45.5 J4.19
T_SFP_P: length 41.8
  TOP w0.254: v1(50.53,45.5) 50.9,45.13 50.9,31 50.1,30.2 50.1,26.88 49.83,26.61 v1(49.83,26.4)
  BOTTOM w0.254: J4.18 40.07,46.03 40.7,46.03 40.88,46.21 48.09,46.21 49.9,44.4 50.65,44.4 50.9,44.65 50.9,45.13 v1(50.53,45.5) ; C1.2 50.05,19.1 50.75,19.1 51,19.35 51,22.61 50.2,23.41 50.2,26.03 v1(49.83,26.4)
UNNAMED_2_CON400P40ABCDEFGHJK_I: length 1.3
  BOTTOM w0.254: P1.D30 P1.D31
UNNAMED_2_PCA9306_I276_EN: length 1.6
  BOTTOM w0.254: IC1.7 IC1.8 43.35,22.55 R1.1
UNNAMED_2_PCA9517_I162_EN: length 2.9
  BOTTOM w0.254: R42.1 49.61,40.03 IC15.5
UNNAMED_3_CAPCERSMDCL2_I315_A: length 3.1
  BOTTOM w0.254: R5.2 C1.1 48.51,19.06 47.66,19.06 47.57,19.15 IC3.10
UNNAMED_3_CAPCERSMDCL2_I316_A: length 3.1
  BOTTOM w0.254: IC3.11 48.5,18.65 C2.1 R6.2
UNNAMED_3_NBSG53A_I298_OLS: length 1.8
  BOTTOM w0.254: R3.1 46.25,16.4 IC3.13
UNNAMED_3_NBSG53A_I298_R: length 1.8
  BOTTOM w0.254: R2.2 45.25,16.5 IC3.15
UNNAMED_3_NBSG53A_I298_SEL: length 1.6
  BOTTOM w0.254: IC3.14 45.75,15.9 R4.1
UNNAMED_3_NBSG53A_I298_VTCLK: length 4.6
  TOP w0.254: v1(42.99,17.76) v1(42.99,20.02)
  BOTTOM w0.254: v1(42.99,20.02) 43.36,19.65 IC3.4 ; v1(42.99,17.76) 43.61,17.76 IC3.1
UNNAMED_3_NBSG53A_I298_VTD: length 4.7
  TOP w0.254: v1(46.7,21.3) v1(44.2,21.3)
  BOTTOM w0.254: v1(46.7,21.3) 46.25,20.85 IC3.8 ; v1(44.2,21.3) 44.2,20.95 IC3.5
UNNAMED_4_CAPCERSMDCL2_I90_B: length 2.5
  TOP w0.254: REG1.4 53.1,7.15 C11.2 52.8,7.45 v1(52.8,8.4)
UNNAMED_4_CAPCERSMDCL2_I119_A: length 1.2
  TOP w0.254: C21.1 21.5,14.9 QZ1.4
UNNAMED_4_CAPCERSMDCL2_I120_A: length 1.2
  TOP w0.254: C25.1 22.55,16 QZ1.5
UNNAMED_4_RSMD0402_I16_A: length 4.3
  TOP w0.254: R10.1 v1(28.3,19.83)
  BOTTOM w0.254: IC4.12 28.77,19.37 v1(28.3,19.83)
UNNAMED_4_RSMD0402_I47_A: length 2.8
  BOTTOM w0.254: R13.1 33.41,10.88 33.41,12.47
UNNAMED_4_RSMD0402_I49_A: length 3.1
  TOP w0.254: R20.1 31.44,20.91 v1(31.56,21.03)
  BOTTOM w0.254: v1(31.56,21.03) 31.56,20.65 31.91,20.31 IC4.15
UNNAMED_4_RSMD0402_I50_A: length 2.5
  TOP w0.254: R21.1 32.58,20.53 v1(32.33,20.78)
  BOTTOM w0.254: v1(32.33,20.78) 32.41,20.7 IC4.16
UNNAMED_4_RSMD0402_I123_A: length 2.9
  BOTTOM w0.254: 34.41,12.47 34.41,11.79 35.5,10.69 R26.1
UNNAMED_4_SI5394_I110_INTR: length 6.5
  BOTTOM w0.254: IC4.33 36.63,13.42 39.95,10.1 TP9.1
UNNAMED_4_SI5394_I110_LOL: length 11.6
  BOTTOM w0.254: TP10.1 44.3,11.9 39.78,16.42 IC4.27
UNNAMED_4_SI5394_I110_LOSXAXB: length 16.1
  BOTTOM w0.254: IC4.28 37.88,15.92 37.96,16 38.7,16 38.8,15.9 39.52,15.9 42.86,12.56 42.86,9.54 43.6,8.8 45.8,8.8 TP11.1
UNNAMED_5_74LCX04_I304_Y: length 5.3
  BOTTOM w0.254: IC9.10 24.52,60.8 24.11,61.21 24.11,62.1 ; 24.11,62.1 R47.1 ; 24.11,62.1 IC9.12
UNNAMED_5_74LCX04_I317_A: length 12.4
  BOTTOM w0.254: IC9.1 32.6,63.4 32.87,63.13 33.1,63.13 ; 33.1,63.13 IC8.7 ; 33.1,63.13 33.1,62.35 32.85,62.1 IC9.3
UNNAMED_5_74LCX04_I317_Y: length 8.5
  BOTTOM w0.254: 30.46,62.75 30.46,63.07 30.43,63.09 30.43,63.79 31.95,65.3 R49.1 ; 30.46,62.75 IC9.2 ; 30.46,62.75 30.46,62.43 30.43,62.41 30.43,61.79 30.78,61.45 IC9.4
UNNAMED_5_74LCX04_I323_A: length 16.5
  BOTTOM w0.254: IC8.6 33.8,61.86 32.74,60.8 IC9.5 28.4,60.8 27.75,60.15 IC9.9
UNNAMED_5_74LCX04_I323_Y: length 8.7
  BOTTOM w0.254: IC9.8 28.1,59.5 28.75,60.15 IC9.6 33.2,60.15 R48.1
UNNAMED_5_ADCMP604_I256_: length 5.6
  BOTTOM w0.254: C51.2 33.68,3.13 32.59,3.13 ; C51.2 R33.2 ; C51.2 R44.1 ; 32.59,3.13 32.59,2.1 R32.1 ; 32.59,3.13 IC5.4
UNNAMED_5_ADCMP604_I256__1: length 2.7
  BOTTOM w0.254: IC5.3 33.84,5.51 R44.2 34.51,5.45 C50.2
UNNAMED_5_ADCMP604_I285_: length 3.2
  BOTTOM w0.254: R35.1 57.05,66.25 ; 57.05,66.25 C52.2 R36.2 ; 57.05,66.25 IC6.4
UNNAMED_5_ADCMP604_I294_: length 3.2
  BOTTOM w0.254: R38.2 C53.2 57.05,60.4 ; 57.05,60.4 IC7.4 ; 57.05,60.4 R37.1
UNNAMED_5_PCOAX_I312_A: length 2.4
  TOP w0.254: PX4.1 v1(20.32,62.1)
  BOTTOM w0.254: R47.2 v1(20.32,62.1)
UNNAMED_5_PCOAX_I315_A: length 2.3
  TOP w0.254: v1(36.5,65.3) PX6.1
  BOTTOM w0.254: v1(36.5,65.3) R49.2
UNNAMED_5_PCOAX_I321_A: length 2.3
  TOP w0.254: PX5.1 v1(36.5,59.5)
  BOTTOM w0.254: v1(36.5,59.5) 36.5,59.5 R48.2
UNNAMED_6_CAPCERSMDCL2_I6_B: length 1
  TOP w0.254: R62.1 C74.2
UNNAMED_6_CAPCERSMDCL2_I7_B: length 1
  TOP w0.254: R63.1 C75.2
UNNAMED_11_ADN2814_I23_CF1: length 4.2
  BOTTOM w0.254: C39.1 24.75,27 25.57,27 26.29,27.72 IC12.15
UNNAMED_11_ADN2814_I23_CF2: length 3.3
  BOTTOM w0.254: IC12.14 26.79,27.54 C39.2
UNNAMED_11_ADN2814_I23_DATAOUTN: length 3.2
  BOTTOM w0.254: R53.1 27.29,34.5 IC12.28
UNNAMED_11_ADN2814_I23_DATAOUTP: length 4.4
  BOTTOM w0.254: IC12.29 27.79,34.41 28.39,35 29.5,35 R52.1
UNNAMED_11_ADN2814_I23_SADDRS: length 3
  TOP w0.254: v1(23.67,29.96) 24.08,30.37 R57.1
  BOTTOM w0.254: IC12.19 23.79,30.08 v1(23.67,29.96)
UNNAMED_11_ADN2814_I23_SQUELCH: length 2.7
  BOTTOM w0.254: IC12.27 26.79,35.06 27.02,35.28 R12.1
UNNAMED_11_ADN2814_I23_THRADJ: length 3.6
  BOTTOM w0.254: C42.2 27.9,26.75 R34.2 29,27.01 29.29,27.3 IC12.9
UNNAMED_11_ADN2814_I23_VREF: length 1.8
  BOTTOM w0.254: C38.2 31.63,31.58 IC12.3
UNNAMED_11_CAPCERSMDCL2_I317_A: length 7.3
  TOP w0.127: v1(46.4,30.25) R61.1 C73.1
  BOTTOM w0.127: IC13.2 46.1,29.95 v1(46.4,30.25)
UNNAMED_11_CON20PSFP_I175_MODDE: length 2.8
  TOP w0.254: v1(33.2,48.72) 32.14,48.72
  BOTTOM w0.254: J4.6 32.82,49.1 v1(33.2,48.72)
UNNAMED_11_CON20PSFP_I175_RATES: length 2.7
  TOP w0.254: v1(33.2,49.99) 32.14,49.99
  BOTTOM w0.254: J4.7 33.11,49.9 v1(33.2,49.99)
UNNAMED_11_CON20PSFP_I175_VCCR: length 8.3
  TOP w0.254: L1.1 37.9,51.16 C64.2 38.43,49.49 v1(37.79,48.85) 38.99,48.85 C63.2
  BOTTOM w0.254: v1(37.79,48.85) 37.93,48.7 J4.15
UNNAMED_11_CON20PSFP_I175_VCCT: length 9.2
  TOP w0.254: L2.2 39.98,47.66 C62.2 40.32,47.4 v1(43,47.4)
  BOTTOM w0.254: v1(43,47.4) 42.65,47.05 41.25,47.05 41.17,47.13 41.17,47.37 40.64,47.9 J4.16
UNNAMED_11_CON20PSFP_I175_VEER: length 3.4
  TOP w0.254: 32.14,52.53 v1(33.2,52.53)
  BOTTOM w0.254: v1(33.2,52.53) 33.2,52.02 32.68,51.5 J4.9
UNNAMED_11_LED1_I225_A: length 1.6
  TOP w0.254: v1(43.5,55.97) LD1.1
  BOTTOM w0.254: R50.1 v1(43.5,55.97)
UNNAMED_11_LED1_I226_A: length 1.6
  TOP w0.254: v1(45,55.97) LD2.1
  BOTTOM w0.254: R51.1 v1(45,55.97)
UNNAMED_11_LED1_I227_A: length 1.6
  TOP w0.254: LD3.1 v1(46.5,55.97)
  BOTTOM w0.254: v1(46.5,55.97) R56.1
UNNAMED_11_RSMD0402_I232_B: length 1
  BOTTOM w0.254: R50.2 43.6,54.15 IC18.4
UNNAMED_11_RSMD0402_I233_B: length 1
  BOTTOM w0.254: R51.2 44.9,54.15 IC18.6
UNNAMED_11_RSMD0402_I312_A: length 5
  TOP w0.254: R58.1 v1(34.32,31.6)
  BOTTOM w0.254: IC13.12 37.75,30.45 37.19,31.01 34.92,31.01 v1(34.32,31.6)
UNNAMED_11_RSMD0402_I313_A: length 5.1
  TOP w0.254: R59.1 v1(34.32,30)
  BOTTOM w0.254: IC13.11 37.66,29.95 37.46,30.16 37.02,30.59 34.92,30.59 v1(34.32,30)
UNNAMED_11_RSMD0402_I316_B: length 6.2
  TOP w0.127: R61.2 v1(46.4,29.35)
  BOTTOM w0.127: IC13.3 46.3,29.45 v1(46.4,29.35)

## Copper pours and planes (outline as drawn; the poured copper is in the pictures)
GND on L2_GND: 22.84,0.64 22.84,1.6 22.36,2.76 21.2,3.24 12.14,3.24 12.14,3.7 11.66,4.86 10.5,5.34 0.64,5.34 0.64,65.06 26.1,65.06 27.26,65.54 27.74,66.7 27.74,68.36 75.86,68.36 75.86,2.37 68.9,2.37 68.9,0.64
P3V3 on L5_PWR: 22.84,0.64 22.84,1.6 22.36,2.76 21.2,3.24 12.14,3.24 12.14,3.7 11.66,4.86 10.5,5.34 0.7,5.34 0.7,65.06 26.1,65.06 27.26,65.54 27.74,66.7 27.74,68.36 75.86,68.36 75.86,2.37 68.9,2.37 68.9,0.64
AGND on TOP: 0.7,35.9 7.9,35.9 9.31,35.31 9.9,33.9 9.9,17.1 9.31,15.69 7.9,15.1 0.7,15.1
P1V8 on TOP: 33.4,8.6 32.4,9.6 33.4,10.6 38.5,10.6 39.21,10.89 39.5,11.6 39.5,19 39.21,19.71 38.5,20 35.5,20 34.79,20.29 34.5,21 34.5,22 34.35,22.35 34,22.5 27,22.5 26.65,22.65 26.5,23 26.5,23.4 26.65,23.75 27,23.9 41.8,23.9 42.51,23.61 42.8,22.9 42.8,6.2 43.09,5.49 43.8,5.2 51.1,5.2 51.45,5.35 51.6,5.7 51.6,20.7 51.89,21.41 52.6,21.7 55.3,21.7 56.01,21.41 56.3,20.7 56.3,20.3 56.01,19.59 55.3,19.3 53.4,19.3 52.69,19.01 52.4,18.3 52.4,6.2 52.69,5.49 54.11,4.91 54.4,4.2 54.4,1.7 54.11,0.99 53.4,0.7 52.4,0.7 51.69,0.99 51.4,1.7 51.4,2.3 42,2.3 41.29,2.59 41,3.3 41,7.6 40.71,8.31 40,8.6
CVCC on TOP: 53.3,51.2 53.59,51.91 54.3,52.2 55.9,52.2 56.61,51.91 56.9,51.2 56.9,26.8 57.19,26.09 57.9,25.8 64.73,25.8 65.43,25.51 65.73,24.8 65.73,9 65.43,8.29 64.73,8 60.2,8 59.49,7.71 59.2,7 59.2,1.7 58.91,0.99 58.2,0.7 57.6,0.7 56.89,0.99 56.6,1.7 56.6,2.2 56.89,2.91 57.6,3.2 57.7,3.2 58.05,3.35 58.2,3.7 58.2,7 57.91,7.71 57.2,8 54.7,8 53.99,8.29 53.7,9 53.7,18.1 53.99,18.81 54.7,19.1 55.5,19.1 56.21,19.39 56.5,20.1 56.5,20.8 56.21,21.51 55.5,21.8 44.9,21.8 44.19,22.09 43.9,22.8 43.9,24.7 44.19,25.41 44.9,25.7 53.4,25.7 54.11,25.99 54.4,26.7 54.4,37.2 54.11,37.91 53.4,38.2 53.3,38.2

## Text on the board
BOTTOM: 6
Ref Des/Silkscreen Bottom: GND | +1V8 | +3V3 | CVCC | SDA | SCL | INTR* | LOL* | LOAS_XAXB* | I2C_CLK | I2C_SFP | I2C_FMC
TOP: 1
Ref Des/Silkscreen Top: GND       +1V8    +3V3    CVCC | GND | SDA | SCL | GND    -     + | CLK_IN1 (REC) | CLK_OSC | CLK_IN2 (HDMI) | CLK_IN0 (PX1) | - | + | INTR* | LOL* | LOAS_XAXB* | I2C_FMC | I2C_SFP | CDR_LOL | CDR_LOS | 3V3 POWER | I2C_CLK | PROTODUNE | D. Cussans, P. Baesso
L2_GND: 2
L3_SIGN: 3
L4_SIGN: 4
L5_PWR: 5
User.45: FIGURE | FINISHED_SIZE | 0.3 | 0.8128 | 0.8499 | 0.95 | 1.0 | 1.05 | 2.7 | 1.3 | 1.4 | 2.1x0.9 | 2.7x0.9 | DRILL CHART: TOP to BOTTOM | ALL UNITS ARE IN MILLIMETERS | PLATED | NON-PLATED | QTY | 563 | 3 | 1 | 9 | 28 | 10 | 4 | 2
